# Altium PCB Graviton_11JAN15.PcbDoc (part 8 of 11)
Units mil, origin at the board's own origin, x right, y up, seen from the top; angles counter-clockwise.
Board outline 7874.02 x 7874.02 mil, 10 copper layers (Top Layer, Internal Plane 2, Signal Layer 2, Internal Plane 3, Signal Layer 4, Signal Layer 5, Internal Plane 4, Signal Layer 7, Internal Plane 1, Bottom Layer), stack 78.455 mil thick; 1275 components, 1501 nets, 7937 pads, 1712 vias.
Unrouted connection lines stored in the file: 273.
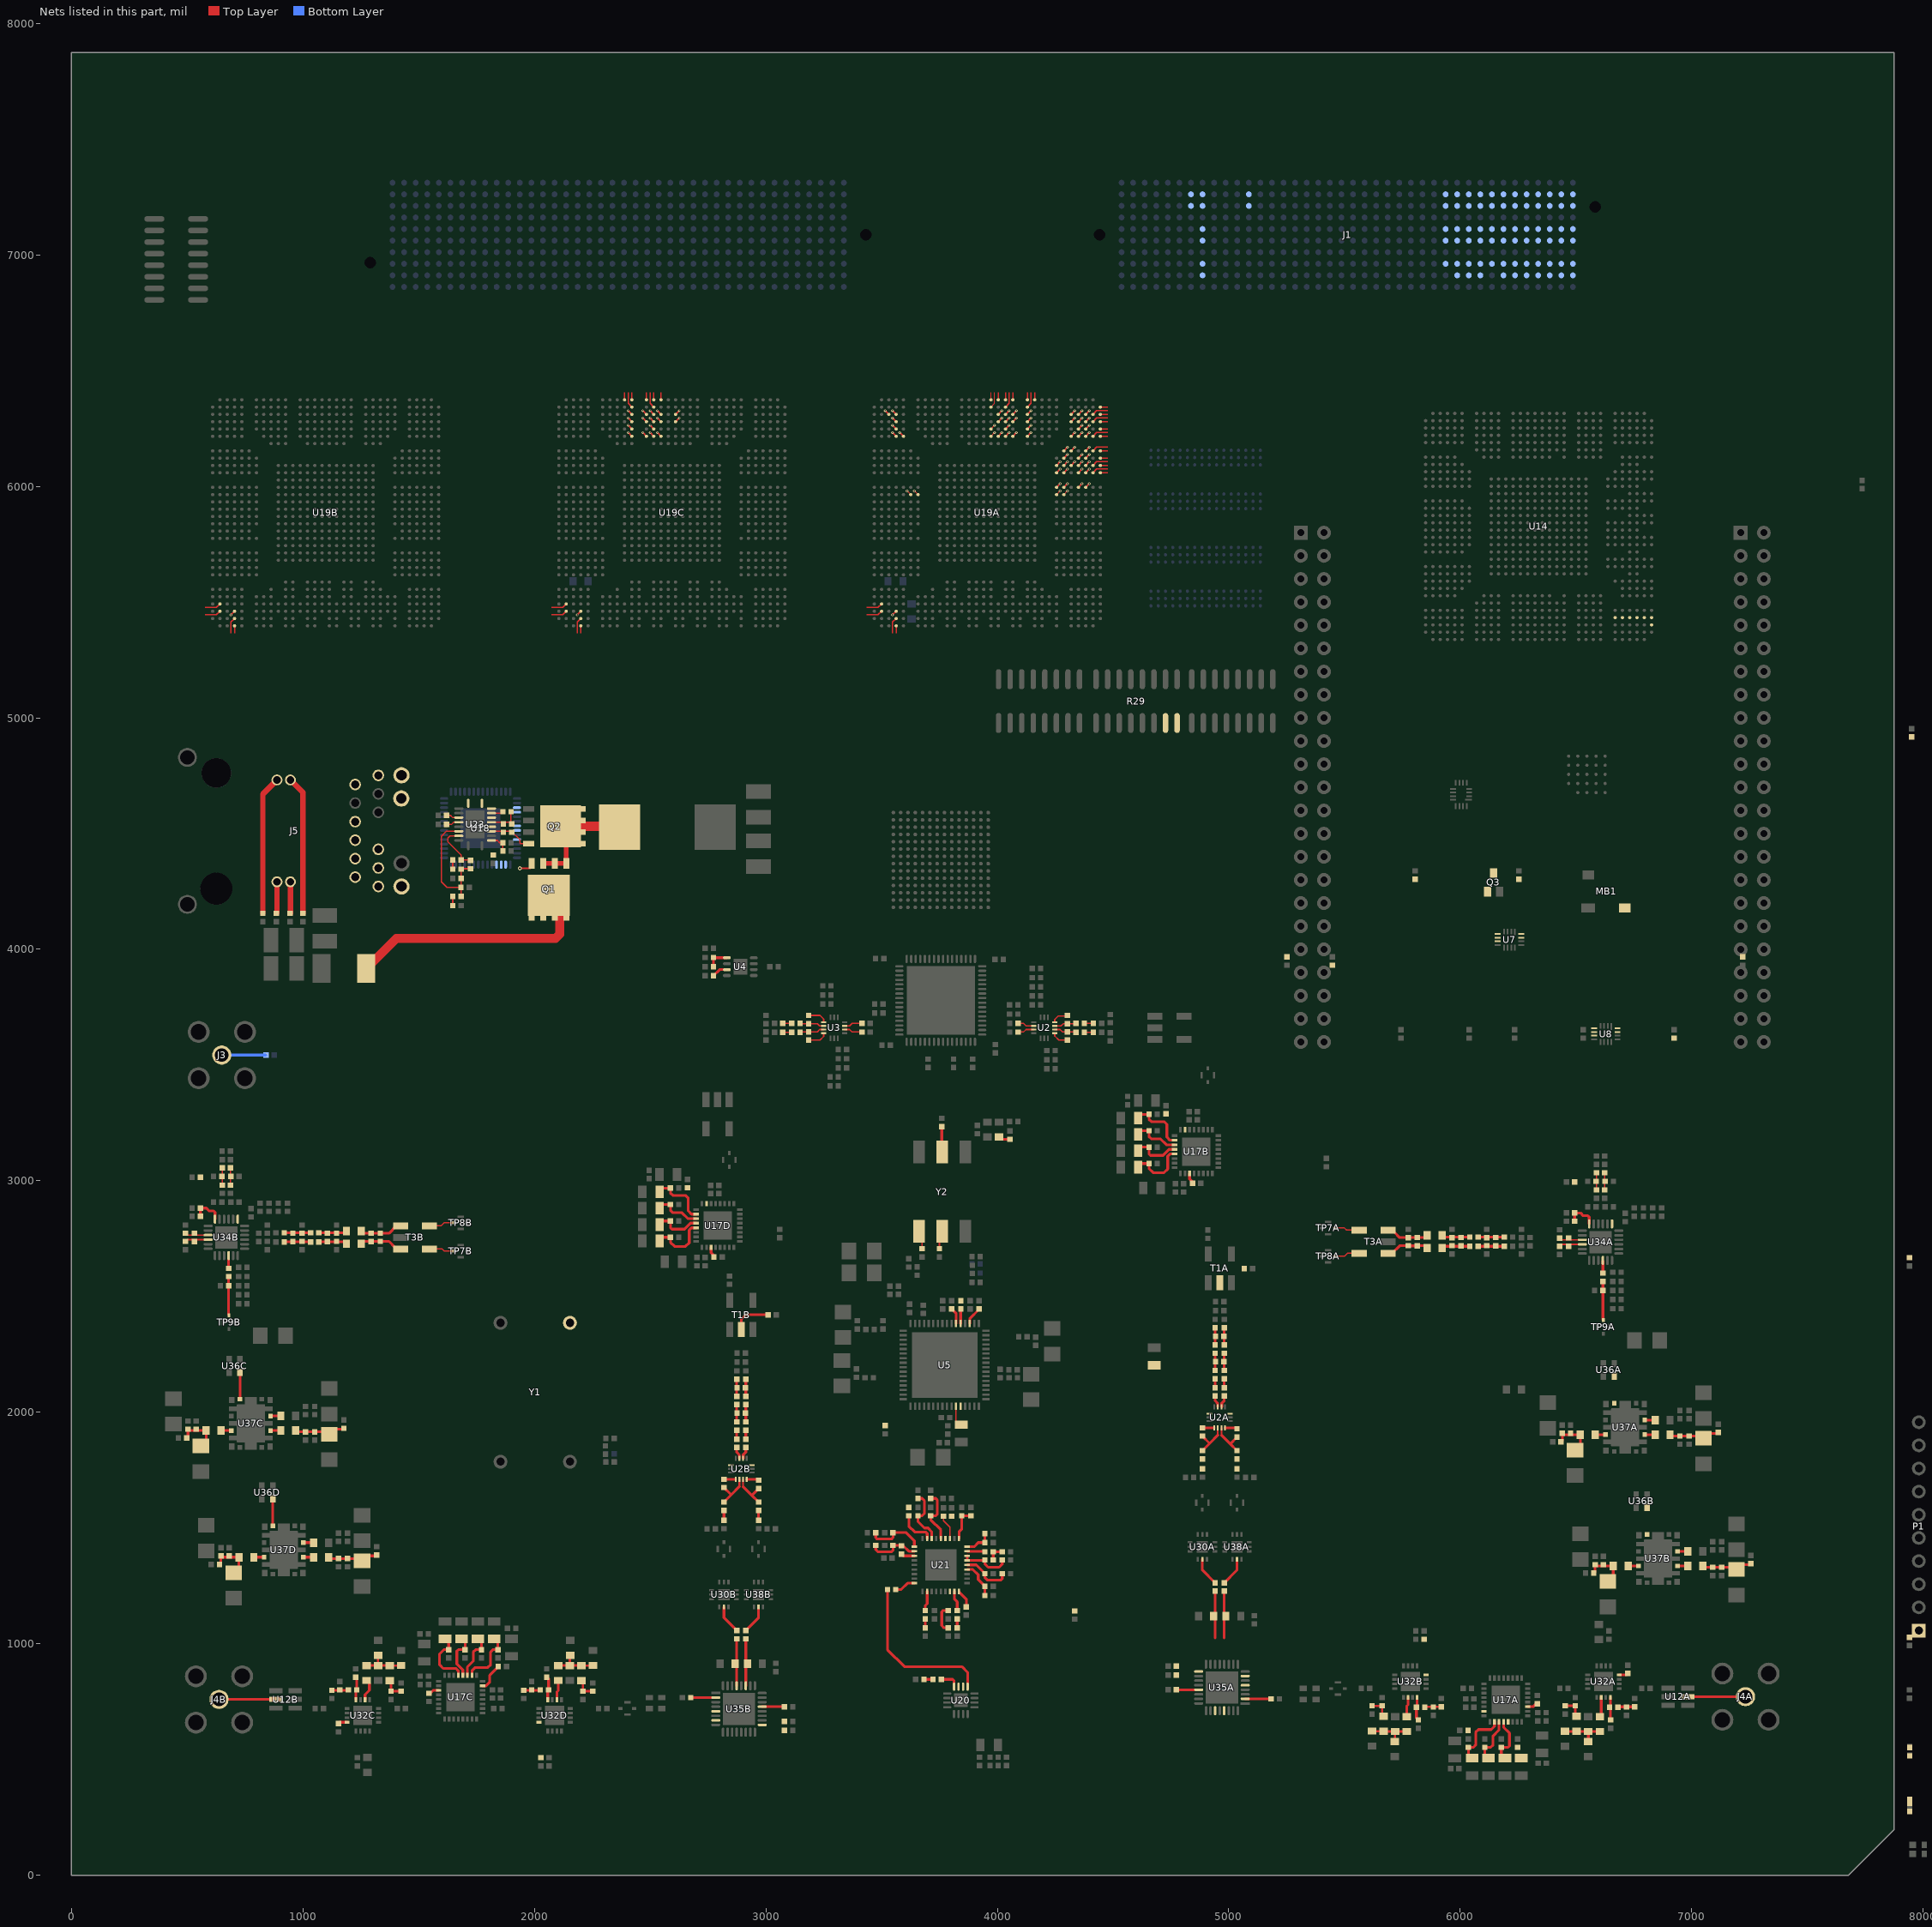
[diagram p15: the nets of this part, all layers, seen from the top]

## Via types
v1: diameter 12, hole 6, Top Layer to Bottom Layer, 1447 vias
v2: diameter 12, hole 6, Top Layer to Bottom Layer, tented top, 148 vias
v3: diameter 25.98, hole 12, Top Layer to Bottom Layer, tented top, 36 vias
v4: diameter 25.98, hole 8, Top Layer to Bottom Layer, tented top, 36 vias
v5: diameter 18, hole 8, Top Layer to Bottom Layer, 25 vias
v6: diameter 23.62, hole 11.81, Top Layer to Bottom Layer, 10 vias
v7: diameter 25, hole 11.81, Top Layer to Bottom Layer, 5 vias
v8: diameter 18, hole 8, Top Layer to Bottom Layer, tented bottom, 5 vias

## Nets (pads, with @x,y where several pads share a name; then routed paths per layer and width w, separated by ;. In a path a pad name is that pad's centre, name@x,y a point inside that pad or via, vN(x,y) a via of type N, cw(c..) or ccw(c..) an arc to the next point about the centre after c; other vN are vias at no path point) (continued)
MDI1_P: J5.4 U18.24
MDI2_N: J5.2 U18.21
MDI2_P: J5.3 U18.22
MDI3_N: J5.9 U18.17
MDI3_P: J5.8 U18.18
MISO_1: U19A.AJ2 | length 70.1
  Top Layer w4.72: 3436.42,5476.38 3484.25,5476.38 U19A.AJ2@3500,5492.13
MISO_2: U19B.AJ2 | length 70.1
  Top Layer w4.72: 578.15,5476.38 625.98,5476.38 U19B.AJ2@641.73,5492.13
MISO_3: U19C.AJ2 | length 70.1
  Top Layer w4.72: 2074.21,5476.38 2122.05,5476.38 U19C.AJ2@2137.8,5492.13
MOSI_1: U19A.AK2 | length 70.1
  Top Layer w4.72: 3436.42,5444.88 3484.25,5444.88 U19A.AK2@3500,5460.63
MOSI_2: U19B.AK2 | length 70.1
  Top Layer w4.72: 578.15,5444.88 625.98,5444.88 U19B.AK2@641.73,5460.63
MOSI_3: U19C.AK2 | length 70.1
  Top Layer w4.72: 2074.21,5444.88 2122.05,5444.88 U19C.AK2@2137.8,5460.63
NC-GPMC.S0: U19C.C17 | length 22.3
  Top Layer w5: U19C.C17@2610.24,6311.02 v1(2625.98,6326.77)
NC-GPMC.S1: U19C.D17 | length 22.3
  Top Layer w5: U19C.D17@2610.24,6279.53 v1(2625.98,6295.28)
NC-GPMC.S2: U19C.A10 | length 32.1
  Top Layer w4.72: U19C.A10@2389.76,6374.02 2389.76,6406.1
NC-GPMC.S3: U19C.F11 | length 22.3
  Top Layer w5: v1(2405.51,6232.28) U19C.F11@2421.26,6216.54
NC-GPMC.S4: U19C.E11 | length 22.3
  Top Layer w5: v1(2405.51,6263.78) U19C.E11@2421.26,6248.03
NC-GPMC.S5: U19C.D11 | length 22.3
  Top Layer w5: v1(2405.51,6295.28) U19C.D11@2421.26,6279.53
NC-GPMC.S6: U19C.C11 | length 22.3
  Top Layer w5: v1(2405.51,6326.77) U19C.C11@2421.26,6311.02
NC-GPMC.S7: U19C.B11 | length 70.1
  Top Layer w4.72: 2405.51,6406.1 2405.51,6358.27 U19C.B11@2421.26,6342.52
NC-GPMC.S8: U19C.A11 | length 32.1
  Top Layer w4.72: U19C.A11@2421.26,6374.02 2421.26,6406.1
NC-GPMC.S9: U19C.F13 | length 22.3
  Top Layer w5: v1(2468.5,6232.28) U19C.F13@2484.25,6216.54
NC-GPMC.S10: U19C.D13 | length 22.3
  Top Layer w5: v1(2468.5,6295.28) U19C.D13@2484.25,6279.53
NC-GPMC.S11: U19C.C13 | length 22.3
  Top Layer w5: v1(2468.5,6326.77) U19C.C13@2484.25,6311.02
NC-GPMC.S12: U19C.A13 | length 32.1
  Top Layer w4.72: U19C.A13@2484.25,6374.02 2484.25,6406.1
NC-GPMC.S13: U19C.F14 | length 22.3
  Top Layer w5: v1(2500,6232.28) U19C.F14@2515.75,6216.54
NC-GPMC.S14: U19C.E14 | length 22.3
  Top Layer w5: v1(2500,6263.78) U19C.E14@2515.75,6248.03
NC-GPMC.S15: U19C.D14 | length 22.3
  Top Layer w5: v1(2500,6295.28) U19C.D14@2515.75,6279.53
NC-GPMC.S16: U19C.C14 | length 22.3
  Top Layer w5: v1(2500,6326.77) U19C.C14@2515.75,6311.02
NC-GPMC.S17: U19C.B14 | length 70.1
  Top Layer w4.72: 2500,6406.1 2500,6358.27 U19C.B14@2515.75,6342.52
NC-GPMC.S18: U19C.A14 | length 32.1
  Top Layer w4.72: U19C.A14@2515.75,6374.02 2515.75,6406.1
NC-GPMC.S19: U19C.F15 | length 22.3
  Top Layer w5: v1(2531.5,6232.28) U19C.F15@2547.24,6216.54
NC-GPMC.S20: U19C.D15 | length 22.3
  Top Layer w5: v1(2531.5,6295.28) U19C.D15@2547.24,6279.53
NC-GPMC.S21: U19C.C15 | length 22.3
  Top Layer w5: v1(2531.5,6326.77) U19C.C15@2547.24,6311.02
NC-GPMC.S22: U19C.A15 | length 32.1
  Top Layer w4.72: U19C.A15@2547.24,6374.02 2547.24,6406.1
NetC19_2: C19.2 R3.2 | length 39
  Top Layer w5.98: R3.2@4376.18,3641.73 C19.2@4415.16,3641.73
NetC20_2: C20.2 R5.2 | length 39
  Top Layer w5.98: R5.2@4376.18,3681.1 C20.2@4415.16,3681.1
NetC24_2: C24.2 R9.2 | length 39
  Top Layer w5.98: C24.2@3073.03,3681.1 R9.2@3112.01,3681.1
NetC25_2: C25.2 R11.2 | length 39
  Top Layer w5.98: C25.2@3073.03,3641.73 R11.2@3112.01,3641.73
NetC26_2: C26.2 L3.2 U4.1 | length 96.3
  Top Layer w11.81: C26.2@2773.82,3925.2 L3.2@2773.82,3964.57 ; L3.2@2774.8,3963.58 U4.1@2831.69,3963.58
NetC33_2: C33.2 U4.3 | length 68.9
  Top Layer w11.81: C33.2@2773.82,3885.83 2800.39,3912.4 U4.3@2831.69,3912.4
NetC34_2: C34.2 J3.1 | length 190.7
  Bottom Layer w11.81: J3.1@649.61,3543.31 C34.2@840.35,3543.31
NetC49_1: C49.1 U5.37 | length 62.8
  Top Layer w11.81: U5.37@3841.54,2383.86 C49.1@3841.54,2446.65
NetC49_2: C49.2 Y1.8
NetC50_1: C50.1 U5.38 | length 70.5
  Top Layer w11.81: C50.1@3803.15,2446.65 3821.85,2427.95 U5.38@3821.85,2383.86
NetC56_2: C56.2 Y2.4 | length 61.2
  Top Layer w5.98: C56.2@3675.2,2706.89 Y2.4@3675.2,2768.11
NetC62_1: C62.1 Y2.5 | length 62.8
  Top Layer w5.98: C62.1@3750,2706.89 Y2.5@3750,2769.69
NetC67_1: C67.1 U5.35 | length 79
  Top Layer w11.81: U5.35@3880.91,2383.86 3880.91,2404.53 C67.1@3922.15,2445.77
NetC72A_1: C72A.1 L52A.1 U35A.29 | length 204.7
  Top Layer w11.81: 4940.94,1025.2 C72A.1@4940.94,1229.92
NetC72A_2: C72A.2 U30A.8 | length 124.6
  Top Layer w11.81: U30A.8@4885.83,1365.35 4885.83,1318.7 C72A.2@4940.94,1263.58
NetC72B_1: C72B.1 L52B.1 U35B.29 | length 204.7
  Top Layer w11.81: U35B.29@2874.02,818.9 C72B.1@2874.02,1023.62
NetC72B_2: C72B.2 U30B.8 | length 124.6
  Top Layer w11.81: U30B.8@2818.9,1159.05 2818.9,1112.4 C72B.2@2874.02,1057.28
NetC77A_1: C77A.1 L53A.1 U35A.27 | length 204.7
  Top Layer w11.81: 4980.32,1025.2 C77A.1@4980.32,1229.92
NetC77A_2: C77A.2 U38A.8 | length 124.6
  Top Layer w11.81: C77A.2@4980.32,1263.58 5035.43,1318.7 U38A.8@5035.43,1365.35
NetC77B_1: C77B.1 L53B.1 U35B.27 | length 204.7
  Top Layer w11.81: U35B.27@2913.39,818.9 C77B.1@2913.39,1023.62
NetC77B_2: C77B.2 U38B.8 | length 124.6
  Top Layer w11.81: C77B.2@2913.39,1057.28 2968.5,1112.4 U38B.8@2968.5,1159.05
NetC78_2: C78.2 U5.11 | length 71.9
  Top Layer w5.98: C78.2@3821.85,1953.74 U5.11@3821.85,2025.59
NetC79_2: C79.2 U5.12
NetC84A_1: C84A.1 R167A.2
NetC84B_1: C84B.1 R167B.2 | length 42.9
  Top Layer w11.81: C84B.1@2818.9,1533.66 R167B.2@2818.9,1576.57
NetC86_1: C86.1 R14.1 | length 38
  Top Layer w11.81: R14.1@4017.13,3179.72 C86.1@4055.12,3179.72
NetC114_2: C114.2 R29.15 R29.16
NetC154A_1: C154A.1 R169A.2
NetC154B_1: C154B.1 R169B.2 | length 42.9
  Top Layer w11.81: C154B.1@2968.5,1533.66 R169B.2@2968.5,1576.57
NetC200A_1: C200A.1 FB9A.1 U17A.29 | length 204
  Top Layer w11.81: 6122.05,506.1 6106.3,521.85 6106.3,552.95 6131.69,552.95 6141.73,562.99 6141.73,602.36 6167.32,627.95 6167.32,663.39
NetC200B_1: C200B.1 FB9B.1 U17B.29 | length 462.3
  Top Layer w11.81: FB9B.1@4608.46,3059.06 4624.21,3074.8 C200B.1@4655.32,3074.8 4655.32,3053.35 4673.23,3035.43 4720.47,3035.43 4736.22,3051.18 4736.22,3106.15 4746.22,3116.14 U17B.29@4765.75,3116.14 ; 4608.46,3200.79 4624.21,3216.54 4655.32,3216.54 4655.32,3191.14 4665.35,3181.1 4704.72,3181.1 4730.32,3155.51 4765.75,3155.51
NetC200C_1: C200C.1 FB9C.1 U17C.29 | length 258.3
  Top Layer w11.81: FB9C.1@1614.17,1021.46 1629.92,1005.71 C200C.1@1629.92,974.61 1608.46,974.61 1590.55,956.69 1590.55,909.45 1606.3,893.7 1661.27,893.7 1671.26,883.71 U17C.29@1671.26,864.17
NetC200D_1: C200D.1 FB9D.1 U17D.29 | length 462.3
  Top Layer w11.81: FB9D.1@2541.14,2740.16 2556.89,2755.91 C200D.1@2587.99,2755.91 2587.99,2734.45 2605.91,2716.54 2653.15,2716.54 2668.9,2732.28 2668.9,2787.25 2678.89,2797.24 U17D.29@2698.43,2797.24 ; 2541.14,2881.89 2556.89,2897.64 2587.99,2897.64 2587.99,2872.24 2598.03,2862.2 2637.4,2862.2 2662.99,2836.61 2698.43,2836.61
NetC201A_1: C201A.1 FB8A.1 U17A.28 | length 461.4
  Top Layer w11.81: 6051.18,506.1 6035.43,521.85 6035.43,552.95 6056.89,552.95 6066.93,562.99 6066.93,618.11 6078.74,629.92 6133.86,629.92 6147.64,643.7 6147.64,663.39 ; U17A.28@6187.01,663.39 6187.01,639.76 6212.6,614.17 6212.6,559.06 6206.5,552.95 C201A.1@6177.17,552.95 6177.17,521.85 FB8A.1@6192.91,506.1
NetC201B_1: C201B.1 FB8B.1 U17B.28 | length 461.4
  Top Layer w11.81: FB8B.1@4608.46,3129.92 4624.21,3145.67 C201B.1@4655.32,3145.67 4655.32,3116.34 4661.42,3110.24 4716.54,3110.24 4742.13,3135.83 U17B.28@4765.75,3135.83 ; 4608.46,3271.65 4624.21,3287.4 4655.32,3287.4 4655.32,3265.94 4665.35,3255.91 4720.47,3255.91 4732.28,3244.09 4732.28,3188.98 4746.06,3175.2 4765.75,3175.2
NetC201C_1: C201C.1 FB8C.1 U17C.28 | length 206.3
  Top Layer w11.81: FB8C.1@1685.04,1021.46 1700.79,1005.71 C201C.1@1700.79,974.61 1671.46,974.61 1665.35,968.5 1665.35,913.39 1690.94,887.8 U17C.28@1690.94,864.17
NetC201D_1: C201D.1 FB8D.1 U17D.28 | length 461.4
  Top Layer w11.81: FB8D.1@2541.14,2811.02 2556.89,2826.77 C201D.1@2587.99,2826.77 2587.99,2797.44 2594.09,2791.34 2649.21,2791.34 2674.8,2816.93 U17D.28@2698.43,2816.93 ; 2541.14,2952.76 2556.89,2968.5 2587.99,2968.5 2587.99,2947.05 2598.03,2937.01 2653.15,2937.01 2664.96,2925.2 2664.96,2870.08 2678.74,2856.3 2698.43,2856.3
NetC202A_1: C202A.1 FB7A.1 U17A.27
NetC202B_1: C202B.1 FB7B.1 U17B.27
NetC202C_1: C202C.1 FB7C.1 U17C.27 | length 204
  Top Layer w11.81: U17C.27@1710.63,864.17 1710.63,899.61 1736.22,925.2 1736.22,964.57 1746.26,974.61 C202C.1@1771.65,974.61 1771.65,1005.71 FB7C.1@1755.91,1021.46
NetC202D_1: C202D.1 FB7D.1 U17D.27
NetC203A_1: C203A.1 FB6A.1 U17A.26
NetC203B_1: C203B.1 FB6B.1 U17B.26
NetC203C_1: C203C.1 FB6C.1 U17C.26 | length 255.1
  Top Layer w11.81: U17C.26@1730.31,864.17 1730.31,883.86 1744.09,897.64 1799.21,897.64 1811.02,909.45 1811.02,964.57 1821.06,974.61 C203C.1@1842.52,974.61 1842.52,1005.71 FB6C.1@1826.77,1021.46
NetC203D_1: C203D.1 FB6D.1 U17D.26
NetC215_2: C215.2 C216.2 C217.2 C218.2 C219.2 J5.1 J5.6 J5.7 J5.12
NetC295_1: C295.1 U21.36 | length 91.9
  Top Layer w11.81: C295.1@3561.22,1234.45 3584.84,1234.45 3612.4,1262.01 U21.36@3641.73,1262.01
NetC295_2: C295.2 U20.1 | length 708.4
  Top Layer w11.81: C295.2@3525.39,1234.45 3525.39,974.61 3598.43,901.57 3846.46,901.57 3872.05,875.98 U20.1@3872.05,814.96
NetC296_1: C296.1 R80.1 | length 39
  Top Layer w11.81: R80.1@3683.27,846.46 C296.1@3722.24,846.46
NetC296_2: C296.2 U20.4 | length 83
  Top Layer w11.81: C296.2@3758.07,846.46 3807.09,846.46 3812.99,840.55 U20.4@3812.99,814.96
NetC297_1: C297.1 U21.30 | length 58.2
  Top Layer w11.81: C297.1@3586.61,1387.6 3594.09,1380.12 U21.30@3641.73,1380.12
NetC297_2: C297.2 C307.2 L30.1 U21.29 | length 213.2
  Top Layer w11.81: L30.1@3474.61,1425.2 3474.61,1407.28 3484.25,1397.64 3543.31,1397.64 3549.41,1403.74 C307.2@3549.41,1425.2 C297.2@3584.84,1425.2 ; C297.2@3594.49,1423.43 3618.11,1399.8 U21.29@3641.73,1399.8
NetC298_2: C298.2 L37.1 U21.7 | length 120.7
  Top Layer w11.81: L37.1@3787.4,1069.09 3769.49,1069.09 3759.84,1078.74 3759.84,1137.8 3765.94,1143.9 C298.2@3787.4,1143.9
NetC300_2: C300.2 L36.1 U21.23 | length 239
  Top Layer w11.81: L36.1@3712.6,1627.76 3734.45,1627.76 3740.16,1622.05 3740.16,1559.06 3734.06,1552.95 C300.2@3712.6,1552.95 3712.6,1535.43 3755.91,1492.13 U21.23@3755.91,1454.92
NetC301_2: C301.2 L35.1 U21.13 | length 158.4
  Top Layer w11.81: U21.13@3870.08,1321.06 3894.41,1321.06 3917.32,1298.15 3917.32,1277.36 C301.2@3946.65,1248.03 L35.1@3946.65,1208.66
NetC302_2: C302.2 L34.1 U21.19 | length 142.3
  Top Layer w11.81: U21.19@3834.65,1454.92 3834.65,1484.25 3846.46,1496.06 C302.2@3846.46,1552.95 L34.1@3885.83,1552.95
NetC303_2: C303.2 L33.1 U21.14 | length 212.8
  Top Layer w11.81: U21.14@3870.08,1340.75 3909.06,1340.75 C303.2@3946.65,1303.15 3946.65,1285.63 3956.69,1275.59 4015.75,1275.59 4021.46,1281.3 L33.1@4021.46,1303.15
NetC304_2: C304.2 L32.1 U21.18 | length 123.2
  Top Layer w11.81: U21.18@3870.08,1419.49 3899.8,1419.49 3917.32,1437.01 C304.2@3946.65,1437.01 L32.1@3946.65,1476.38
NetC305_2: C305.2 L31.1 U21.25 | length 250.1
  Top Layer w11.81: L31.1@3657.48,1627.76 3675.39,1627.76 3685.04,1618.11 3685.04,1562.99 3675,1552.95 C305.2@3657.48,1552.95 3657.48,1527.56 3685.04,1500 3700.79,1500 3716.54,1484.25 U21.25@3716.54,1454.92
NetC308_2: C308.2 L29.1 U21.28 | length 255.4
  Top Layer w11.81: L29.1@3474.61,1480.32 3474.61,1458.46 3480.32,1452.76 3543.31,1452.76 3549.41,1458.86 C308.2@3549.41,1480.32 3606.3,1480.32 3641.73,1444.88 U21.28@3641.73,1419.49
NetC313_1: C313.1 U21.21 | length 107.7
  Top Layer w5.98: C313.1@3767.72,1551.18 3767.72,1531.5 3795.28,1503.94 U21.21@3795.28,1454.92
NetC314_1: C314.1 U21.22
NetC315_1: C315.1 R85.2 R86.1 | length 74.4
  Top Layer w11.81: C315.1@3982.48,1362.2 R85.2@3982.48,1397.64 R86.1@4021.46,1397.64
NetC315_2: C315.2 C320.2 U21.15 U21.16 | length 216.1
  Top Layer w11.81: U21.16@3870.08,1380.12 U21.15@3870.08,1360.43 C315.2@3944.88,1360.43 ; C315.2@3946.65,1362.2 3946.65,1344.69 3960.63,1330.71 4007.87,1330.71 4021.46,1344.29 C320.2@4021.46,1362.2
NetC316_1: C316.1 R82.1 | length 39
  Top Layer w11.81: C316.1@3688.98,1069.09 R82.1@3688.98,1108.07
NetC317_2: C317.2 R83.1 | length 39
  Top Layer w11.81: C317.2@3826.77,1069.09 R83.1@3826.77,1108.07
NetC318_2: C318.2 U21.9 | length 80
  Top Layer w11.81: U21.9@3834.65,1226.57 3834.65,1224.41 3866.14,1192.91 C318.2@3866.14,1159.65
NetC319_2: C319.2 R84.1
NetC327_2: C327.2 C328.2 L38.2 R87.1 R88.2
NetC328_1: C328.1 R88.1 R90.2 U22.4
NetC329_1: C329.1 C330.2 L39.1 Q1.1 Q1.2 Q1.3 Q2.5 Q2.6 Q2.7 Q2.8 Q2.9 R93.1 U23.16 | length 658.2
  Top Layer w5.98: U23.16@1814.57,4549.21 1897.83,4549.21 1897.83,4588.58 C329.1@1899.8,4590.55
  Top Layer w19.68: Q1.3@2037.99,4371.06 Q1.2@2087.99,4371.06 Q1.1@2137.99,4371.06 2137.99,4506.69 Q2.9@2113.19,4531.5
  Top Layer w23.62: L39.1@2360.24,4519.69 L39.1@2368.11,4527.56
  Top Layer w39.37: Q2.9@2113.19,4531.5 L39.1@2364.17,4531.5
NetC329_2: C329.2 U23.18 | length 51.8
  Top Layer w5.98: U23.18@1814.57,4588.58 C329.2@1866.34,4588.58
NetC330_1: C330.1 Q2.4 R93.2 U23.14 | length 190.6
  Top Layer w5.98: U23.14@1814.57,4509.84 R93.2@1865.95,4509.84 ; R93.2@1866.14,4509.65 1901.57,4509.65 1937.01,4474.21 1937.01,4460.63 1941.14,4456.5 Q2.4@1975.39,4456.5
NetC333_1: C333.1 R96.1 | length 39.4
  Top Layer w5.98: R96.1@1647.44,4346.46 C333.1@1647.44,4385.83
NetC333_2: C333.2 C335.2 U23.8 | length 209.3
  Top Layer w5.98: U23.8@1673.62,4490.16 1635.83,4490.16 1625.98,4480.31 1625.98,4464.57 1683.27,4407.28 C333.2@1683.27,4385.83 C335.2@1722.64,4385.83
NetC334_1: C334.1 C335.1 R96.2 R97.2 R99.1 U23.7 | length 535.2
  Top Layer w5.98: U23.7@1673.62,4509.84 1620.08,4509.84 1598.43,4488.19 1598.43,4291.34 1622.05,4267.72 R97.2@1682.87,4267.72 ; C334.1@1683.27,4228.35 R99.1@1683.27,4307.09 R96.2@1683.27,4346.46 1685.04,4348.23 C335.1@1724.41,4348.23
NetC334_2: C334.2 R95.2 | length 39.4
  Top Layer w5.98: R95.2@1647.44,4188.98 C334.2@1647.44,4228.35
NetC339_1: C339.1 U24.13
NetC339_2: C339.2 L40.1 U24.10 U24.11 U24.12
NetC340_1: C340.1 R98.1 R101.2 U23.20
NetC344_1: C344.1 U23.5 | length 57.4
  Top Layer w5.98: C344.1@1620.28,4539.37 1641.73,4539.37 1651.57,4549.21 U23.5@1673.62,4549.21
NetC346_1: C346.1 U23.15
NetC347_1: C347.1 R104.2 U23.12 | length 88.9
  Top Layer w5.98: U23.12@1814.57,4470.47 1840.55,4470.47 1850.39,4460.63 R104.2@1863.98,4460.63 C347.1@1863.98,4425.2
NetC348_1: C348.1 U24.9
NetC349_1: C349.1 R105.2
NetC350_1: C350.1 R105.1 U24.7
NetC354_1: C354.1 R109.1 R110.2 U25.1
NetC358_2: C358.2 C364.2 L41.2 R111.1 R114.2
NetC362_2: C362.2 C365.2 L42.2 R112.1 R115.2
NetC363_2: C363.2 R113.1 U25.6
NetC364_1: C364.1 R114.1 R116.2 U26.4
NetC365_1: C365.1 R115.1 R117.2 U27.4
NetC372_2: C372.2 C377.1 L43.2 R120.1 R122.1
NetC376_2: C376.2 C378.2 L44.2 R121.1 R123.2
NetC377_2: C377.2 R122.2 R124.1 U28.4
NetC378_1: C378.1 R123.1 R126.2 U29.4
NetC379A_2: C379A.2 C380A.2 FB11A.1 U2A.1 U2A.10
NetC379B_2: C379B.2 C380B.2 FB11B.1 U2B.1 U2B.10
NetC383A_2: C383A.2 FB12A.1 U31A.A1 U31A.A2
NetC383B_2: C383B.2 FB12B.1 U31B.A1 U31B.A2
NetC383C_2: C383C.2 FB12C.1 U31C.A1 U31C.A2
NetC383D_2: C383D.2 FB12D.1 U31D.A1 U31D.A2
NetC388A_2: C388A.2 C389A.2 R128A.2 R129A.2 R130A.2 | length 191.9
  Top Layer w11.81: C389A.2@6454.13,621.26 C388A.2@6553.15,621.26 ; R128A.2@6553.15,578.54 C388A.2@6553.15,621.26 ; R129A.2@6603.35,621.26 C388A.2@6553.15,621.26
NetC388B_2: C388B.2 C389B.2 R128B.2 R129B.2 R130B.2 | length 194.7
  Top Layer w10: C389B.2@5619.09,620.87 5620.47,622.24 R130B.2@5668.31,622.24 5669.29,621.26 C388B.2@5718.5,621.26 ; R128B.2@5717.52,577.56 5718.5,578.54 C388B.2@5718.5,621.26 ; R129B.2@5768.7,621.26 C388B.2@5718.5,621.26
NetC388C_2: C388C.2 C389C.2 R128C.2 R129C.2 R130C.2 | length 194.7
  Top Layer w10: R129C.2@1274.61,906.3 C388C.2@1324.8,906.3 ; R128C.2@1325.79,950 1324.8,949.02 C388C.2@1324.8,906.3 ; C389C.2@1424.21,906.69 1422.83,905.32 R130C.2@1375,905.32 1374.02,906.3 C388C.2@1324.8,906.3
NetC388D_2: C388D.2 C389D.2 R128D.2 R129D.2 R130D.2 | length 194.7
  Top Layer w10: R129D.2@2103.35,906.3 C388D.2@2153.54,906.3 ; R128D.2@2154.53,950 2153.54,949.02 C388D.2@2153.54,906.3 ; C389D.2@2252.95,906.69 2251.57,905.32 R130D.2@2203.74,905.32 2202.76,906.3 C388D.2@2153.54,906.3
NetC390A_1: C390A.1 L46A.1 R131A.1 | length 69.9
  Top Layer w11.81: R131A.1@6683.07,728.15 L46A.1@6752.95,728.15
NetC390B_1: C390B.1 L46B.1 R131B.1 | length 69.9
  Top Layer w10: R131B.1@5848.43,728.15 L46B.1@5918.31,728.15
NetC390C_1: C390C.1 L46C.1 R131C.1 | length 69.9
  Top Layer w10: L46C.1@1125,799.41 R131C.1@1194.88,799.41
NetC390D_1: C390D.1 L46D.1 R131D.1 | length 69.9
  Top Layer w10: L46D.1@1953.74,799.41 R131D.1@2023.62,799.41
NetC391A_2: C391A.2 R131A.2 U32A.16 | length 92.3
  Top Layer w11.81: C391A.2@6648.62,676.38 U32A.16@6648.62,768.7
NetC391B_2: C391B.2 R131B.2 U32B.16 | length 101.9
  Top Layer w11.81: U32B.16@5813.98,768.7 5813.98,729.53 R131B.2@5810.83,726.38 5810.83,679.53 C391B.2@5818.9,671.46
NetC391C_2: C391C.2 R131C.2 U32C.16 | length 101.9
  Top Layer w11.81: C391C.2@1224.41,856.1 1232.48,848.03 R131C.2@1232.48,801.18 1229.33,798.03 U32C.16@1229.33,758.86
NetC391D_2: C391D.2 R131D.2 U32D.16 | length 101.9
  Top Layer w11.81: C391D.2@2053.15,856.1 2061.22,848.03 R131D.2@2061.22,801.18 2058.07,798.03 U32D.16@2058.07,758.86
NetC392A_2: C392A.2 L47A.1 R130A.1 | length 82.3
  Top Layer w10: C392A.2@6453.74,732.48 6496.65,732.48 R130A.1@6496.65,693.11
NetC392B_2: C392B.2 L47B.1 R130B.1 | length 92.8
  Top Layer w10: C392B.2@5618.11,730.12 5620.08,732.09 L47B.1@5662.4,732.09 5662.4,692.72 R130B.1@5668.31,686.81
NetC392C_2: C392C.2 L47C.1 R130C.1 | length 92.8
  Top Layer w10: R130C.1@1375,840.75 1380.91,834.84 L47C.1@1380.91,795.47 1423.23,795.47 C392C.2@1425.2,797.44
NetC392D_2: C392D.2 L47D.1 R130D.1 | length 92.8
  Top Layer w10: R130D.1@2203.74,840.75 2209.65,834.84 L47D.1@2209.65,795.47 2251.97,795.47 C392D.2@2253.94,797.44
NetC399A_2: C399A.2 C402A.2 L49A.1 T3A.1 | length 206.3
  Top Layer w5.98: T3A.1@5688.58,2779.33 T3A.1@5713.78,2779.33 ; C402A.2@5817.13,2754.72 L49A.1@5854.33,2754.72
  Top Layer w11.81: T3A.1@5713.78,2779.33 5738.39,2754.72 C399A.2@5775.59,2754.72 ; C399A.2@5775.98,2755.12 C402A.2@5814.96,2755.12 L49A.1@5847.83,2755.12
NetC399B_2: C399B.2 C402B.2 L49B.1 T3B.1 | length 206.3
  Top Layer w5.98: L49B.1@1255.91,2738.39 C402B.2@1293.11,2738.39 ; T3B.1@1396.46,2713.78 T3B.1@1421.65,2713.78
  Top Layer w11.81: L49B.1@1262.4,2737.99 C402B.2@1295.28,2737.99 C399B.2@1334.25,2737.99 ; C399B.2@1334.65,2738.39 1371.85,2738.39 T3B.1@1396.46,2713.78
NetC400A_2: C400A.2 C403A.2 L49A.2 R132A.1 | length 111.2
  Top Layer w11.81: L49A.2@5929.92,2756.89 R132A.1@6041.14,2756.89
NetC400B_2: C400B.2 C403B.2 L49B.2 R132B.1 | length 111.2
  Top Layer w11.81: R132B.1@1069.09,2736.22 L49B.2@1180.31,2736.22